# KiCad board yddraig09.kicad_pcb
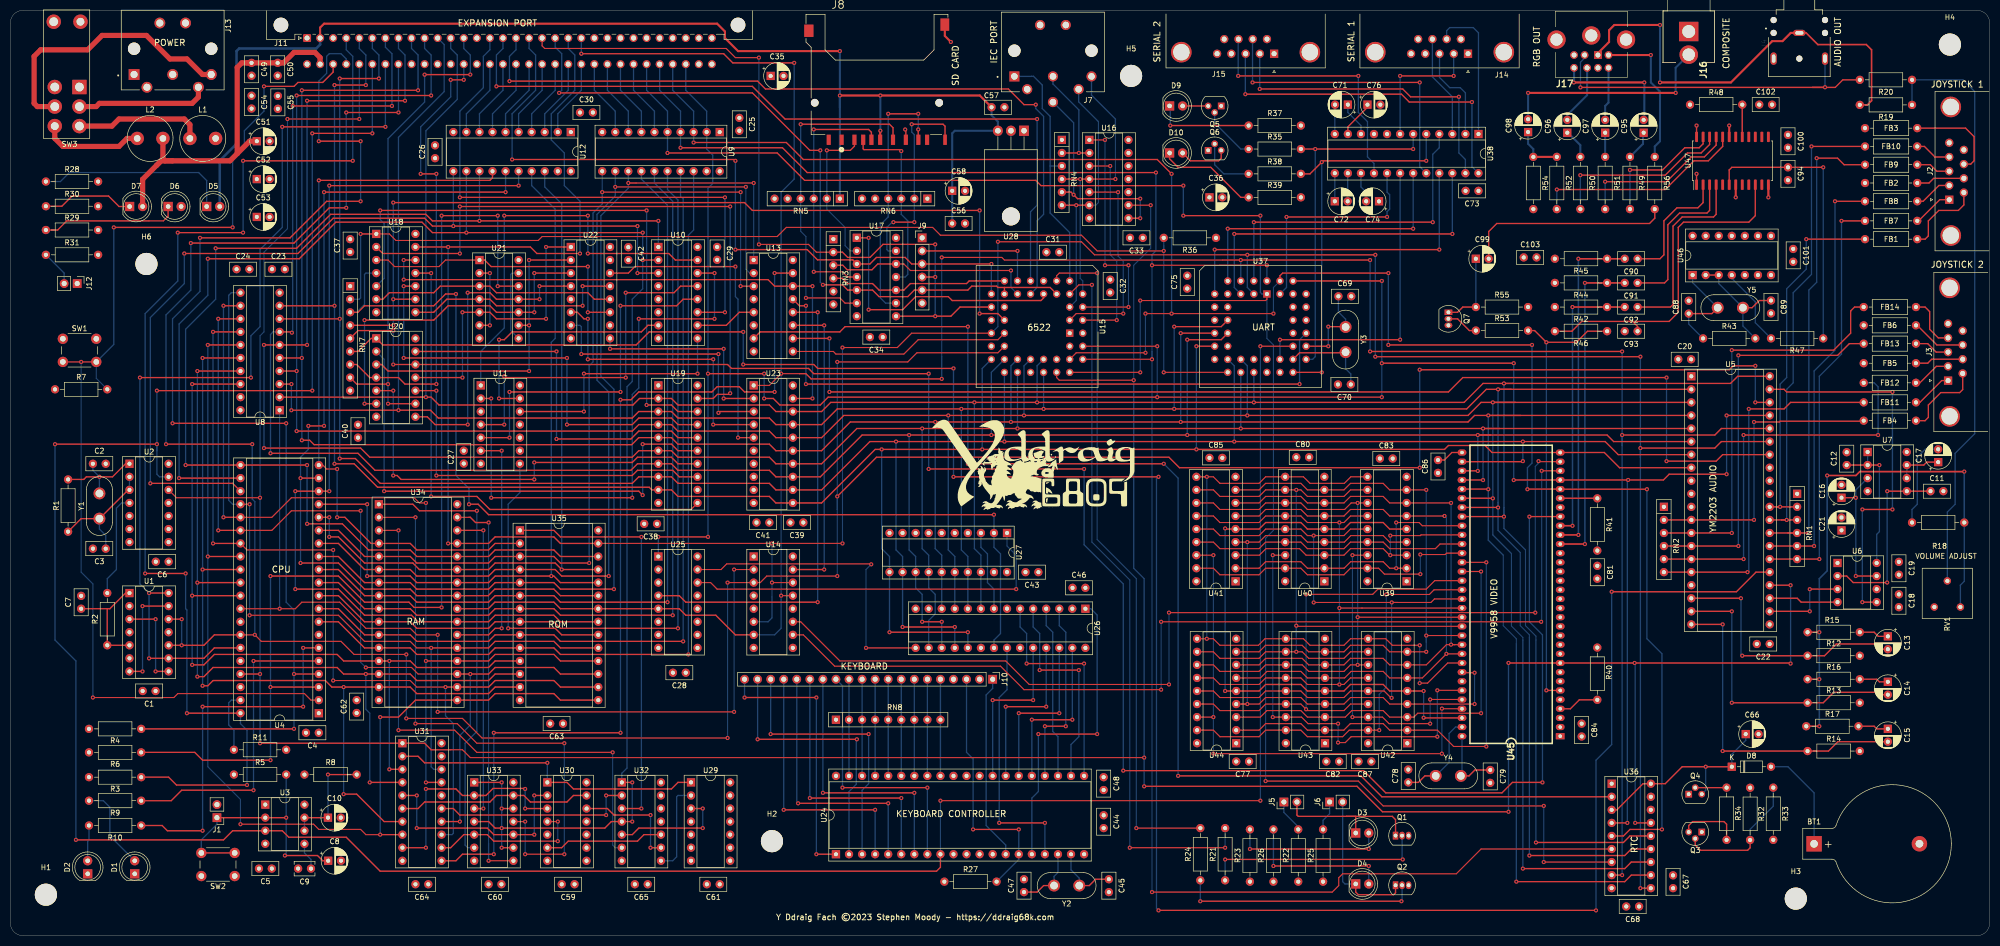
[diagram p0: board, top side]
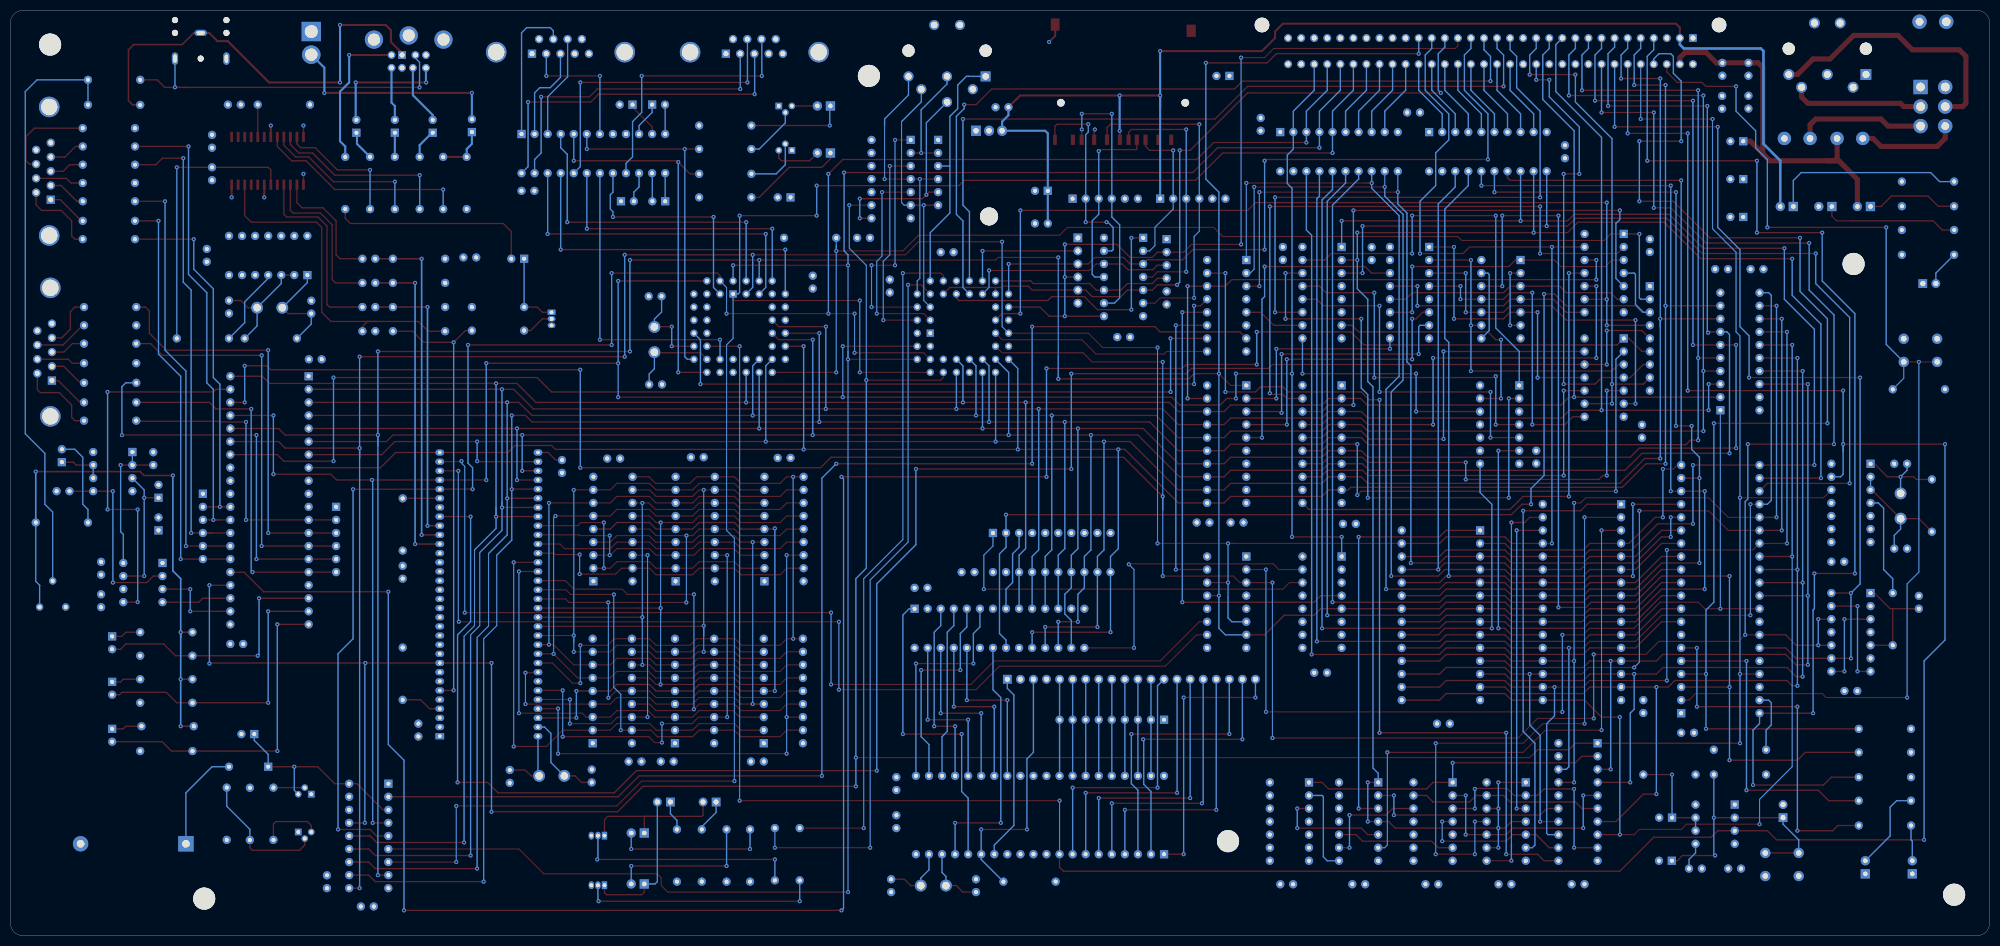
[diagram p1: board, bottom side, seen from below]

Outline 385 x 180 mm; copper layers: Top, In1.Cu (plane), In2.Cu (plane), Bottom. Coordinates in mm from the lower left corner of the outline.
Outline path: 0,177.5 0,2.5 arc(0.73,0.73) 2.5,0 382.5,0 arc(384.27,0.73) 385,2.5 385,177.5 arc(384.27,179.27) 382.5,180 2.5,180 arc(0.73,179.27) 0,177.5
Stack: Top 0.035mm / dielectric 0.48mm FR4 er 4.5 / In1.Cu 0.035mm / dielectric 0.48mm FR4 er 4.5 / In2.Cu 0.035mm / dielectric 0.48mm FR4 er 4.5 / Bottom 0.035mm

## Placement (name value [footprint] x y rotation side)
BT1  CR2032  [BatteryHolder_Keystone_103_1x20mm]  350.84 17.88 0 top
C1  100nF  [C_Disc_D5.0mm_W2.5mm_P2.50mm]  28.26 47.6 180 top
C2  22pF  [C_Disc_D5.0mm_W2.5mm_P2.50mm]  16.07 91.8 0 top
C3  22pF  [C_Disc_D5.0mm_W2.5mm_P2.50mm]  18.57 75.29 180 top
C4  100nF  [C_Disc_D5.0mm_W2.5mm_P2.50mm]  60.01 39.47 180 top
C5  100nF  [C_Disc_D5.0mm_W2.5mm_P2.50mm]  50.87 13.06 180 top
C6  100nF  [C_Disc_D5.0mm_W2.5mm_P2.50mm]  30.8 72.75 180 top
C7  5pF  [C_Disc_D5.0mm_W2.5mm_P2.50mm]  13.78 63.6 90 top
C8  10uF  [CP_Radial_D5.0mm_P2.50mm]  61.83 14.58 0 top
C9  10nF  [C_Disc_D3.8mm_W2.6mm_P2.50mm]  58.49 13.06 180 top
C10  10uF  [CP_Radial_D5.0mm_P2.50mm]  61.79 22.96 0 top
C11  100nf  [C_Disc_D5.0mm_W2.5mm_P2.50mm]  373.49 86.46 0 top
C12  100nf  [C_Disc_D5.0mm_W2.5mm_P2.50mm]  357.19 91.54 90 top
C13  10uF  [CP_Radial_D5.0mm_P2.50mm]  365.19 58.23 270 top
C14  10uF  [CP_Radial_D5.0mm_P2.50mm]  365.19 49.38 270 top
C15  10uF  [CP_Radial_D5.0mm_P2.50mm]  365.19 40.23 270 top
C16  10uF  [CP_Radial_D5.0mm_P2.50mm]  356.17 85.19 90 top
C17  1uF  [CP_Radial_D5.0mm_P2.50mm]  374.97 92.11 90 top
C18  100nF  [C_Disc_D5.0mm_W2.5mm_P2.50mm]  367.34 66.4 270 top
C19  100nF  [C_Disc_D5.0mm_W2.5mm_P2.50mm]  367.34 72.71 270 top
C20  100nF  [C_Disc_D5.0mm_W2.5mm_P2.50mm]  324.42 112.12 0 top
C21  220uF  [CP_Radial_D5.0mm_P2.50mm]  356.17 78.84 90 top
C22  100nF  [C_Disc_D5.0mm_W2.5mm_P2.50mm]  342.2 56.74 180 top
C23  100nF  [C_Disc_D5.0mm_W2.5mm_P2.50mm]  50.91 129.64 0 top
C24  100nF  [C_Disc_D5.0mm_W2.5mm_P2.50mm]  44.01 129.64 0 top
C25  100nF  [C_Disc_D5.0mm_W2.5mm_P2.50mm]  141.8 159.07 270 top
C26  100nF  [C_Disc_D5.0mm_W2.5mm_P2.50mm]  82.62 151.23 90 top
C27  100nF  [C_Disc_D5.0mm_W2.5mm_P2.50mm]  88.2 91.84 90 top
C28  100nF  [C_Disc_D5.0mm_W2.5mm_P2.50mm]  131.38 51.16 180 top
C29  100nF  [C_Disc_D5.0mm_W2.5mm_P2.50mm]  137.48 133.96 270 top
C30  100nF  [C_Disc_D5.0mm_W2.5mm_P2.50mm]  110.81 160.12 0 top
C31  100nF  [C_Disc_D5.0mm_W2.5mm_P2.50mm]  201.53 132.94 0 top
C32  100nF  [C_Disc_D5.0mm_W2.5mm_P2.50mm]  213.93 127.61 270 top
C33  100nF  [C_Disc_D5.0mm_W2.5mm_P2.50mm]  220.28 135.74 180 top
C34  100nF  [C_Disc_D5.0mm_W2.5mm_P2.50mm]  169.7 116.43 180 top
C35  47uF  [CP_Radial_D5.0mm_P2.50mm]  147.89 167.23 0 top
C36  47uF  [CP_Radial_D5.0mm_P2.50mm]  233.24 143.61 0 top
C37  100nF  [C_Disc_D5.0mm_W2.5mm_P2.50mm]  66.11 132.98 90 top
C38  100nF  [C_Disc_D5.0mm_W2.5mm_P2.50mm]  125.8 80.11 180 top
C39  100nF  [C_Disc_D5.0mm_W2.5mm_P2.50mm]  154.24 80.37 180 top
C40  100nF  [C_Disc_D5.0mm_W2.5mm_P2.50mm]  67.63 96.88 90 top
C41  100nF  [C_Disc_D5.0mm_W2.5mm_P2.50mm]  147.64 80.37 180 top
C42  100nF  [C_Disc_D5.0mm_W2.5mm_P2.50mm]  120.21 133.92 270 top
C43  100nF  [C_Disc_D5.0mm_W2.5mm_P2.50mm]  199.96 70.71 180 top
C44  100nF  [C_Disc_D5.0mm_W2.5mm_P2.50mm]  212.66 23.43 270 top
C45  22pF  [C_Disc_D5.0mm_W2.5mm_P2.50mm]  213.68 10.98 270 top
C46  100nF  [C_Disc_D5.0mm_W2.5mm_P2.50mm]  206.61 67.67 0 top
C47  22pF  [C_Disc_D5.0mm_W2.5mm_P2.50mm]  197.17 8.48 90 top
C48  100nF  [C_Disc_D5.0mm_W2.5mm_P2.50mm]  212.66 30.84 270 top
C49  100nF  [C_Disc_D5.0mm_W2.5mm_P2.50mm]  46.93 169.77 270 top
C50  100nF  [C_Disc_D5.0mm_W2.5mm_P2.50mm]  52.01 169.77 270 top
C51  47uF  [CP_Radial_D5.0mm_P2.50mm]  47.94 154.53 0 top
C52  47uF  [CP_Radial_D5.0mm_P2.50mm]  47.94 147.17 0 top
C53  47uF  [CP_Radial_D5.0mm_P2.50mm]  47.94 139.8 0 top
C54  100nF  [C_Disc_D5.0mm_W2.5mm_P2.50mm]  46.93 163.38 270 top
C55  100nF  [C_Disc_D5.0mm_W2.5mm_P2.50mm]  52.05 163.34 270 top
C56  100nF  [C_Disc_D5.0mm_W2.5mm_P2.50mm]  183.2 138.53 0 top
C57  100nF  [C_Disc_D5.0mm_W2.5mm_P2.50mm]  190.86 161.14 0 top
C58  47uF  [CP_Radial_D5.0mm_P2.50mm]  183.2 144.88 0 top
C59  100nF  [C_Disc_D5.0mm_W2.5mm_P2.50mm]  109.75 10.01 180 top
C60  100nF  [C_Disc_D5.0mm_W2.5mm_P2.50mm]  95.53 10.01 180 top
C61  100nF  [C_Disc_D5.0mm_W2.5mm_P2.50mm]  137.99 10.01 180 top
C62  100nF  [C_Disc_D5.0mm_W2.5mm_P2.50mm]  67.38 43.32 90 top
C63  100nF  [C_Disc_D5.0mm_W2.5mm_P2.50mm]  107.51 41.25 180 top
C64  100nF  [C_Disc_D5.0mm_W2.5mm_P2.50mm]  81.31 10.01 180 top
C65  100nF  [C_Disc_D5.0mm_W2.5mm_P2.50mm]  123.98 10.01 180 top
C66  10uF  [CP_Radial_D5.0mm_P2.50mm]  337.55 39.22 0 top
C67  100nF  [C_Disc_D5.0mm_W2.5mm_P2.50mm]  323.41 11.75 270 top
C68  100nF  [C_Disc_D5.0mm_W2.5mm_P2.50mm]  316.8 5.69 180 top
C69  22pF  [C_Disc_D5.0mm_W2.5mm_P2.50mm]  258.32 124.37 0 top
C70  22pF  [C_Disc_D5.0mm_W2.5mm_P2.50mm]  260.73 107.23 180 top
C71  0.1uF  [CP_Radial_D5.0mm_P2.50mm]  260.16 161.65 180 top
C72  0.1uF  [CP_Radial_D5.0mm_P2.50mm]  257.62 142.85 0 top
C73  100nF  [C_Disc_D5.0mm_W2.5mm_P2.50mm]  285.56 144.88 180 top
C74  0.1uF  [CP_Radial_D5.0mm_P2.50mm]  266.22 142.85 180 top
C75  100nF  [C_Disc_D5.0mm_W2.5mm_P2.50mm]  228.92 125.87 90 top
C76  0.1uF  [CP_Radial_D5.0mm_P2.50mm]  263.97 161.65 0 top
C77  100nF  [C_Disc_D5.0mm_W2.5mm_P2.50mm]  240.94 33.88 180 top
C78  22pF  [C_Disc_D5.0mm_W2.5mm_P2.50mm]  271.91 29.82 90 top
C79  22pF  [C_Disc_D5.0mm_W2.5mm_P2.50mm]  287.85 32.23 270 top
C80  100nF  [C_Disc_D5.0mm_W2.5mm_P2.50mm]  250.13 93.07 0 top
C81  100nF  [C_Disc_D5.0mm_W2.5mm_P2.50mm]  308.68 71.94 270 top
C82  100nF  [C_Disc_D5.0mm_W2.5mm_P2.50mm]  258.47 33.88 180 top
C83  100nF  [C_Disc_D5.0mm_W2.5mm_P2.50mm]  266.38 92.81 0 top
C84  100nF  [C_Disc_D5.0mm_W2.5mm_P2.50mm]  305.63 41.25 270 top
C85  100nF  [C_Disc_D5.0mm_W2.5mm_P2.50mm]  233.24 92.94 0 top
C86  100nF  [C_Disc_D5.0mm_W2.5mm_P2.50mm]  277.69 90.02 90 top
C87  100nF  [C_Disc_D5.0mm_W2.5mm_P2.50mm]  264.73 33.88 180 top
C88  22pF  [C_Disc_D5.0mm_W2.5mm_P2.50mm]  326.46 121.01 90 top
C89  22pF  [C_Disc_D5.0mm_W2.5mm_P2.50mm]  342.46 123.55 270 top
C90  100nF  [C_Disc_D5.0mm_W2.5mm_P2.50mm]  316.51 131.67 180 top
C91  100nF  [C_Disc_D5.0mm_W2.5mm_P2.50mm]  316.51 126.97 180 top
C92  100nF  [C_Disc_D5.0mm_W2.5mm_P2.50mm]  316.51 122.28 180 top
C93  47pF  [C_Disc_D5.0mm_W2.5mm_P2.50mm]  316.51 117.58 180 top
C94  5pF  [C_Disc_D5.0mm_W2.5mm_P2.50mm]  345.76 149.45 270 top
C95  220uF  [CP_Radial_D5.0mm_P2.50mm]  317.69 156.19 90 top
C96  220uF  [CP_Radial_D5.0mm_P2.50mm]  302.83 156.19 90 top
C97  220uF  [CP_Radial_D5.0mm_P2.50mm]  310.2 156.19 90 top
C98  220uF  [CP_Radial_D5.0mm_P2.50mm]  295.21 156.31 90 top
C99  220uF  [CP_Radial_D5.0mm_P2.50mm]  285.05 131.67 0 top
C100  100nF  [C_Disc_D5.0mm_W2.5mm_P2.50mm]  345.76 155.76 270 top
C101  100nF  [C_Disc_D5.0mm_W2.5mm_P2.50mm]  346.78 133.58 270 top
C102  100nF  [C_Disc_D5.0mm_W2.5mm_P2.50mm]  340.17 161.65 0 top
C103  100nF  [C_Disc_D5.0mm_W2.5mm_P2.50mm]  294.37 131.93 0 top
D1  GREEN  [LED_D5.0mm]  24.2 12.04 90 top
D2  GREEN  [LED_D5.0mm]  15.05 12.04 90 top
D3  GREEN  [LED_D5.0mm]  261.69 19.98 0 top
D4  GREEN  [LED_D5.0mm]  261.69 10.07 0 top
D5  GREEN  [LED_D5.0mm]  38.2 141.83 0 top
D6  GREEN  [LED_D5.0mm]  30.7 141.83 0 top
D7  GREEN  [LED_D5.0mm]  23.2 141.83 0 top
D8  1N4148  [D_DO-35_SOD27_P7.62mm_Horizontal]  334.84 32.87 0 top
D9  GREEN  [LED_D5.0mm]  225.48 161.39 0 top
D10  GREEN  [LED_D5.0mm]  225.48 152.25 0 top
FB1  1mH  [L_Axial_L6.6mm_D2.7mm_P10.16mm_Horizontal_Vishay_IM-2]  360.75 135.48 0 top
FB2  1mH  [L_Axial_L6.6mm_D2.7mm_P10.16mm_Horizontal_Vishay_IM-2]  360.75 146.41 0 top
FB3  1mH  [L_Axial_L6.6mm_D2.7mm_P10.16mm_Horizontal_Vishay_IM-2]  360.75 157.07 0 top
FB4  1mH  [L_Axial_L6.6mm_D2.7mm_P10.16mm_Horizontal_Vishay_IM-2]  360.49 100.18 0 top
FB5  1mH  [L_Axial_L6.6mm_D2.7mm_P10.16mm_Horizontal_Vishay_IM-2]  360.49 111.35 0 top
FB6  1mH  [L_Axial_L6.6mm_D2.7mm_P10.16mm_Horizontal_Vishay_IM-2]  360.49 118.72 0 top
FB7  1mH  [L_Axial_L6.6mm_D2.7mm_P10.16mm_Horizontal_Vishay_IM-2]  360.75 139.04 0 top
FB8  1mH  [L_Axial_L6.6mm_D2.7mm_P10.16mm_Horizontal_Vishay_IM-2]  360.75 142.85 0 top
FB9  1mH  [L_Axial_L6.6mm_D2.7mm_P10.16mm_Horizontal_Vishay_IM-2]  360.75 149.96 0 top
FB10  1mH  [L_Axial_L6.6mm_D2.7mm_P10.16mm_Horizontal_Vishay_IM-2]  360.75 153.52 0 top
FB11  1mH  [L_Axial_L6.6mm_D2.7mm_P10.16mm_Horizontal_Vishay_IM-2]  360.49 103.73 0 top
FB12  1mH  [L_Axial_L6.6mm_D2.7mm_P10.16mm_Horizontal_Vishay_IM-2]  360.49 107.54 0 top
FB13  1mH  [L_Axial_L6.6mm_D2.7mm_P10.16mm_Horizontal_Vishay_IM-2]  360.49 115.16 0 top
FB14  1mH  [L_Axial_L6.6mm_D2.7mm_P10.16mm_Horizontal_Vishay_IM-2]  360.49 122.28 0 top
G***  LOGO  [Ddraig6809-40mm]  199.25 91.95 0 top
H1  MountingHole  [MountingHole_4.3mm_M4]  6.92 7.98 0 top
H2  MountingHole  [MountingHole_4.3mm_M4]  148.15 18.39 0 top
H3  MountingHole  [MountingHole_4.3mm_M4]  347.28 7.21 0 top
H4  MountingHole  [MountingHole_4.3mm_M4]  377.26 173.33 0 top
H5  MountingHole  [MountingHole_4.3mm_M4]  218 167.23 0 top
H6  MountingHole  [MountingHole_4.3mm_M4]  26.48 130.66 0 top
J1  ExtReset  [PinHeader_1x02_P2.54mm_Vertical]  40.2 22.96 180 top
J2  Joystick 2  [DSUB-9_Male_Horizontal_P2.77x2.84mm_EdgePinOffset4.94mm_Housed_MountingHolesOffset7.48mm]  377.13 143.15 90 top
J3  Joystick 1  [DSUB-9_Male_Horizontal_P2.77x2.84mm_EdgePinOffset4.94mm_Housed_MountingHolesOffset7.48mm]  376.9 107.98 90 top
J4  Audio Out  [SWITCHCRAFT_35RAPC2BHN2]  347.97 174.6 270 top
J5  ExtUSR1  [PinHeader_1x02_P2.54mm_Vertical]  247.72 26.01 90 top
J6  ExtUSR2  [PinHeader_1x02_P2.54mm_Vertical]  256.61 26.01 90 top
J7  IEC PORT  [CUI_SDS-60J]  202.8 172.14 180 top
J8  145638009211859+  [CONN_145638009211859+]  168.57 167.51 0 top
J9  SPI  [PinHeader_1x06_P2.54mm_Vertical]  177.36 135.74 0 top
J10  Keyboard  [PinHeader_1x20_P2.54mm_Vertical]  191.07 49.89 270 top
J11  Expansion  [DIN41612_C_2x32_Male_Horizontal_THT]  57.72 174.6 0 top
J12  PwrLED  [PinHeader_1x02_P2.54mm_Vertical]  13.02 126.85 270 top
J13  57PC5F  [SWITCHCRAFT_57PC5F]  31.59 172.52 270 top
J14  Serial 1  [DSUB-9_Male_Horizontal_P2.77x2.84mm_EdgePinOffset4.94mm_Housed_MountingHolesOffset7.48mm]  283.53 171.55 180 top
J15  Serial 2  [DSUB-9_Male_Horizontal_P2.77x2.84mm_EdgePinOffset4.94mm_Housed_MountingHolesOffset7.48mm]  245.81 171.55 180 top
J16  Composite  [KLPX0848A2RG]  326.46 175.87 270 top
J17  RGB Video  [MINI-DIN-8-TE_57492681]  308.8 171.3 0 top
L1  22uH  [L_Radial_D8.7mm_P5.00mm_Fastron_07HCP]  34.94 155.07 0 top
L2  22uH  [L_Radial_D8.7mm_P5.00mm_Fastron_07HCP]  24.69 155.07 0 top
Q1  BC549  [TO-92_Inline]  269.43 19.47 0 top
Q2  BC549  [TO-92_Inline]  269.43 9.82 0 top
Q3  BC549B  [TO-92]  329 20.17 180 top
Q4  2N4403  [TO-92]  326.46 27.53 0 top
Q5  2N4403  [TO-92]  235.52 161.39 180 top
Q6  2N4403  [TO-92]  232.98 152.76 0 top
Q7  2N3904  [TO-92_Inline]  279.72 121.26 270 top
R1  4M7  [R_Axial_DIN0207_L6.3mm_D2.5mm_P10.16mm_Horizontal]  11.24 88.75 270 top
R2  2K2  [R_Axial_DIN0207_L6.3mm_D2.5mm_P10.16mm_Horizontal]  18.86 56.49 90 top
R3  4k7  [R_Axial_DIN0207_L6.3mm_D2.5mm_P10.16mm_Horizontal]  15.31 30.84 0 top
R4  4k7  [R_Axial_DIN0207_L6.3mm_D2.5mm_P10.16mm_Horizontal]  15.31 40.23 0 top
R5  10K  [R_Axial_DIN0207_L6.3mm_D2.5mm_P10.16mm_Horizontal]  43.5 31.34 0 top
R6  4k7  [R_Axial_DIN0207_L6.3mm_D2.5mm_P10.16mm_Horizontal]  15.31 35.66 0 top
R7  4k7  [R_Axial_DIN0207_L6.3mm_D2.5mm_P10.16mm_Horizontal]  8.7 106.27 0 top
R8  38K  [R_Axial_DIN0207_L6.3mm_D2.5mm_P10.16mm_Horizontal]  57.22 31.34 0 top
R9  1K  [R_Axial_DIN0207_L6.3mm_D2.5mm_P10.16mm_Horizontal]  25.47 26.26 180 top
R10  1K  [R_Axial_DIN0207_L6.3mm_D2.5mm_P10.16mm_Horizontal]  25.47 21.44 180 top
R11  4K7  [R_Axial_DIN0207_L6.3mm_D2.5mm_P10.16mm_Horizontal]  43.5 36.17 0 top
R12  1K  [R_Axial_DIN0207_L6.3mm_D2.5mm_P10.16mm_Horizontal]  349.57 54.46 0 top
R13  1K  [R_Axial_DIN0207_L6.3mm_D2.5mm_P10.16mm_Horizontal]  349.57 45.31 0 top
R14  1K  [R_Axial_DIN0207_L6.3mm_D2.5mm_P10.16mm_Horizontal]  349.57 35.92 0 top
R15  4K7  [R_Axial_DIN0207_L6.3mm_D2.5mm_P10.16mm_Horizontal]  349.57 59.03 0 top
R16  4K7  [R_Axial_DIN0207_L6.3mm_D2.5mm_P10.16mm_Horizontal]  349.57 49.89 0 top
R17  4K7  [R_Axial_DIN0207_L6.3mm_D2.5mm_P10.16mm_Horizontal]  349.32 40.74 0 top
R18  1K  [R_Axial_DIN0207_L6.3mm_D2.5mm_P10.16mm_Horizontal]  380.05 80.37 180 top
R19  100R  [R_Axial_DIN0207_L6.3mm_D2.5mm_P10.16mm_Horizontal]  369.89 161.6 180 top
R20  100R  [R_Axial_DIN0207_L6.3mm_D2.5mm_P10.16mm_Horizontal]  369.89 166.47 180 top
R21  1K  [R_Axial_DIN0207_L6.3mm_D2.5mm_P10.16mm_Horizontal]  236.29 10.77 90 top
R22  150R  [R_Axial_DIN0207_L6.3mm_D2.5mm_P10.16mm_Horizontal]  250.51 10.52 90 top
R23  150R  [R_Axial_DIN0207_L6.3mm_D2.5mm_P10.16mm_Horizontal]  241.11 10.52 90 top
R24  1K  [R_Axial_DIN0207_L6.3mm_D2.5mm_P10.16mm_Horizontal]  231.46 10.77 90 top
R25  150R  [R_Axial_DIN0207_L6.3mm_D2.5mm_P10.16mm_Horizontal]  255.34 10.52 90 top
R26  150R  [R_Axial_DIN0207_L6.3mm_D2.5mm_P10.16mm_Horizontal]  245.68 10.52 90 top
R27  10K  [R_Axial_DIN0207_L6.3mm_D2.5mm_P10.16mm_Horizontal]  181.68 10.52 0 top
R28  150R  [R_Axial_DIN0207_L6.3mm_D2.5mm_P10.16mm_Horizontal]  6.92 146.69 0 top
R29  270R  [R_Axial_DIN0207_L6.3mm_D2.5mm_P10.16mm_Horizontal]  6.92 137.26 0 top
R30  750R  [R_Axial_DIN0207_L6.3mm_D2.5mm_P10.16mm_Horizontal]  6.92 141.88 0 top
R31  150R  [R_Axial_DIN0207_L6.3mm_D2.5mm_P10.16mm_Horizontal]  6.92 132.44 0 top
R32  4K7  [R_Axial_DIN0207_L6.3mm_D2.5mm_P10.16mm_Horizontal]  338.4 28.78 270 top
R33  4K7  [R_Axial_DIN0207_L6.3mm_D2.5mm_P10.16mm_Horizontal]  342.9 28.8 270 top
R34  4K7  [R_Axial_DIN0207_L6.3mm_D2.5mm_P10.16mm_Horizontal]  333.82 28.8 270 top
R35  150R  [R_Axial_DIN0207_L6.3mm_D2.5mm_P10.16mm_Horizontal]  240.86 153.01 0 top
R36  10K  [R_Axial_DIN0207_L6.3mm_D2.5mm_P10.16mm_Horizontal]  234.51 135.74 180 top
R37  150R  [R_Axial_DIN0207_L6.3mm_D2.5mm_P10.16mm_Horizontal]  240.86 157.58 0 top
R38  150R  [R_Axial_DIN0207_L6.3mm_D2.5mm_P10.16mm_Horizontal]  240.86 148.18 0 top
R39  150R  [R_Axial_DIN0207_L6.3mm_D2.5mm_P10.16mm_Horizontal]  240.86 143.61 0 top
R40  4K7  [R_Axial_DIN0207_L6.3mm_D2.5mm_P10.16mm_Horizontal]  308.68 45.89 90 top
R41  4K7  [R_Axial_DIN0207_L6.3mm_D2.5mm_P10.16mm_Horizontal]  308.68 85.06 270 top
R42  470R  [R_Axial_DIN0207_L6.3mm_D2.5mm_P10.16mm_Horizontal]  310.58 122.28 180 top
R43  4M7  [R_Axial_DIN0207_L6.3mm_D2.5mm_P10.16mm_Horizontal]  329.25 116.18 0 top
R44  470R  [R_Axial_DIN0207_L6.3mm_D2.5mm_P10.16mm_Horizontal]  310.58 126.97 180 top
R45  470R  [R_Axial_DIN0207_L6.3mm_D2.5mm_P10.16mm_Horizontal]  310.58 131.67 180 top
R46  2K2  [R_Axial_DIN0207_L6.3mm_D2.5mm_P10.16mm_Horizontal]  310.58 117.58 180 top
R47  2K2  [R_Axial_DIN0207_L6.3mm_D2.5mm_P10.16mm_Horizontal]  352.62 116.18 180 top
R48  2K81  [R_Axial_DIN0207_L6.3mm_D2.5mm_P10.16mm_Horizontal]  326.71 161.65 0 top
R49  75R  [R_Axial_DIN0207_L6.3mm_D2.5mm_P10.16mm_Horizontal]  315.03 151.49 270 top
R50  75R  [R_Axial_DIN0207_L6.3mm_D2.5mm_P10.16mm_Horizontal]  305.37 151.49 270 top
R51  75R  [R_Axial_DIN0207_L6.3mm_D2.5mm_P10.16mm_Horizontal]  310.2 151.49 270 top
R52  43R  [R_Axial_DIN0207_L6.3mm_D2.5mm_P10.16mm_Horizontal]  300.8 151.49 270 top
R53  1K  [R_Axial_DIN0207_L6.3mm_D2.5mm_P10.16mm_Horizontal]  285.05 117.7 0 top
R54  240R  [R_Axial_DIN0207_L6.3mm_D2.5mm_P10.16mm_Horizontal]  296.23 151.49 270 top
R55  100R  [R_Axial_DIN0207_L6.3mm_D2.5mm_P10.16mm_Horizontal]  285.05 122.28 0 top
R56  220R  [R_Axial_DIN0207_L6.3mm_D2.5mm_P10.16mm_Horizontal]  319.85 151.49 270 top
RN1  4K7  [R_Array_SIP6]  347.54 85.95 270 top
RN2  4K7  [R_Array_SIP6]  321.63 83.41 270 top
RN3  10K  [R_Array_SIP6]  160.09 135.48 270 top
RN4  10K  [R_Array_SIP6]  204.54 154.79 270 top
RN5  10K  [R_Array_SIP6]  161.36 143.36 180 top
RN6  10K  [R_Array_SIP6]  178.37 143.36 180 top
RN7  10K  [R_Array_SIP9]  66.11 126.34 270 top
RN8  10K  [R_Array_SIP9]  160.59 42.01 0 top
RV1  10K  [Potentiometer_Bourns_3386F_Vertical]  379.3 63.93 90 top
SW1  NMI  [SW_PUSH_6mm_H4.3mm]  10.23 116.11 0 top
SW2  Reset  [SW_PUSH_6mm_H4.3mm]  43.65 11.6 180 top
SW3  PowerSwitch  [M2022_Rocker_Switch]  13.45 165.07 180 top
U1  74LS73  [DIP-14_W7.62mm_Socket]  23.18 66.65 0 top
U2  74HCT04  [DIP-14_W7.62mm_Socket]  23.18 91.8 0 top
U3  NE555P  [DIP-8_W7.62mm_Socket]  49.6 25.5 0 top
U4  MC68B09E  [DIP-40_W15.24mm_Socket]  60.01 43.28 180 top
U5  YM2203  [DIP-40_W15.24mm_Socket]  326.96 108.81 0 top
U6  YM3014B  [DIP-8_W7.62mm_Socket]  355.4 72.5 0 top
U7  NE5532  [DIP-8_W7.62mm_Socket]  361.25 94.08 0 top
U8  74LS245  [DIP-20_W7.62mm_Socket]  52.39 102.21 180 top
U9  74LS245  [DIP-20_W7.62mm_Socket]  137.99 156.31 270 top
U10  74LS138  [DIP-16_W7.62mm_Socket]  126.05 133.96 0 top
U11  74LS21  [DIP-14_W7.62mm_Socket]  91.51 107.04 0 top
U12  74LS245  [DIP-20_W7.62mm_Socket]  109.03 156.31 270 top
U13  74LS138  [DIP-16_W7.62mm_Socket]  144.59 131.42 0 top
U14  74LS139  [DIP-16_W7.62mm_Socket]  144.59 73.76 0 top
U15  W65C22S  [PLCC-44_THT-Socket]  206.06 117.2 270 top
U16  74LS06  [DIP-14_W7.62mm_Socket]  209.87 154.79 0 top
U17  74LS07  [DIP-14_W7.62mm_Socket]  164.66 135.74 0 top
U18  74LS32  [DIP-14_W7.62mm_Socket]  71.19 136.5 0 top
U19  74LS574  [DIP-20_W7.62mm_Socket]  126.05 107.04 0 top
U20  74LS32  [DIP-14_W7.62mm_Socket]  71.19 116.18 0 top
U21  74LS11  [DIP-14_W7.62mm_Socket]  91.25 131.42 0 top
U22  74LS147  [DIP-16_W7.62mm_Socket]  109.03 133.96 0 top
U23  74LS540  [DIP-20_W7.62mm_Socket]  144.59 107.04 0 top
U24  AT89C51-24PI  [DIP-40_W15.24mm_Socket]  160.59 15.85 90 top
U25  74LS138  [DIP-16_W7.62mm_Socket]  126.05 73.76 0 top
U26  IDT7201  [DIP-28_W7.62mm_Socket]  209.11 63.6 270 top
U27  74HCT541  [DIP-20_W7.62mm_Socket]  193.87 78.33 270 top
U28  TC1262-3.3VAB  [TO-220-3_Horizontal_TabDown]  197.17 156.57 180 top
U29  74LS32  [DIP-14_W7.62mm_Socket]  132.4 29.82 0 top
U30  74LS27  [DIP-14_W7.62mm_Socket]  104.46 29.82 0 top
U31  74HCT273  [DIP-20_W7.62mm_Socket]  76.27 37.44 0 top
U32  74LS08  [DIP-14_W7.62mm_Socket]  118.94 29.82 0 top
U33  74LS08  [DIP-14_W7.62mm_Socket]  90.24 29.82 0 top
U34  AS6C4008-55PCN  [DIP-32_W15.24mm_Socket]  71.69 83.92 0 top
U35  AT28C256B  [DIP-28_W15.24mm_Socket]  99.13 78.84 0 top
U36  RTC-72421  [DIP-18_W7.62mm_Socket]  311.47 29.57 0 top
U37  SC26C92C1A  [PLCC-44_THT-Socket]  244.41 124.82 0 top
U38  MAX208  [DIP-24_W7.62mm_Socket]  285.56 155.93 270 top
U39  41464  [DIP-18_W7.62mm_Socket]  271.59 68.94 180 top
U40  41464  [DIP-18_W7.62mm_Socket]  255.59 68.94 180 top
U41  41464  [DIP-18_W7.62mm_Socket]  238.32 68.94 180 top
U42  41464  [DIP-18_W7.62mm_Socket]  271.72 37.44 180 top
U43  41464  [DIP-18_W7.62mm_Socket]  255.72 37.44 180 top
U44  41464  [DIP-18_W7.62mm_Socket]  238.44 37.44 180 top
U45  V9958  [DIP-64-V9958]  291.91 66.4 90 top
U46  74HCT04  [DIP-14_W7.62mm_Socket]  327.22 128.5 90 top
U47  CXA2075M  [SOP-24_7.5x15.4mm_P1.27mm]  334.96 150.72 90 top
Y1  8Mhz  [Crystal_HC50_Vertical]  17.34 81.13 90 top
Y2  12Mhz  [Crystal_HC50_Vertical]  207.91 9.75 180 top
Y3  3.6864Mhz  [Crystal_HC50_Vertical]  259.72 118.4 270 top
Y4  21.443Mhz  [Crystal_HC50_Vertical]  277.24 31.09 0 top
Y5  4.4336161875Mhz  [Crystal_HC50_Vertical]  337 122.15 180 top

## Library data of the parts
J4 = -: MANUFACTURER: Switchcraft Inc.; MAXIMUM_PACKAGE_HIEGHT: 6.1214mm; PARTREV: L; STANDARD: Manufacturer Recommendations
J8 = -: MANUFACTURER: AVX Corp/Kyocrea Corp
